# KiCad board reform2-motherboard.kicad_pcb (continued)
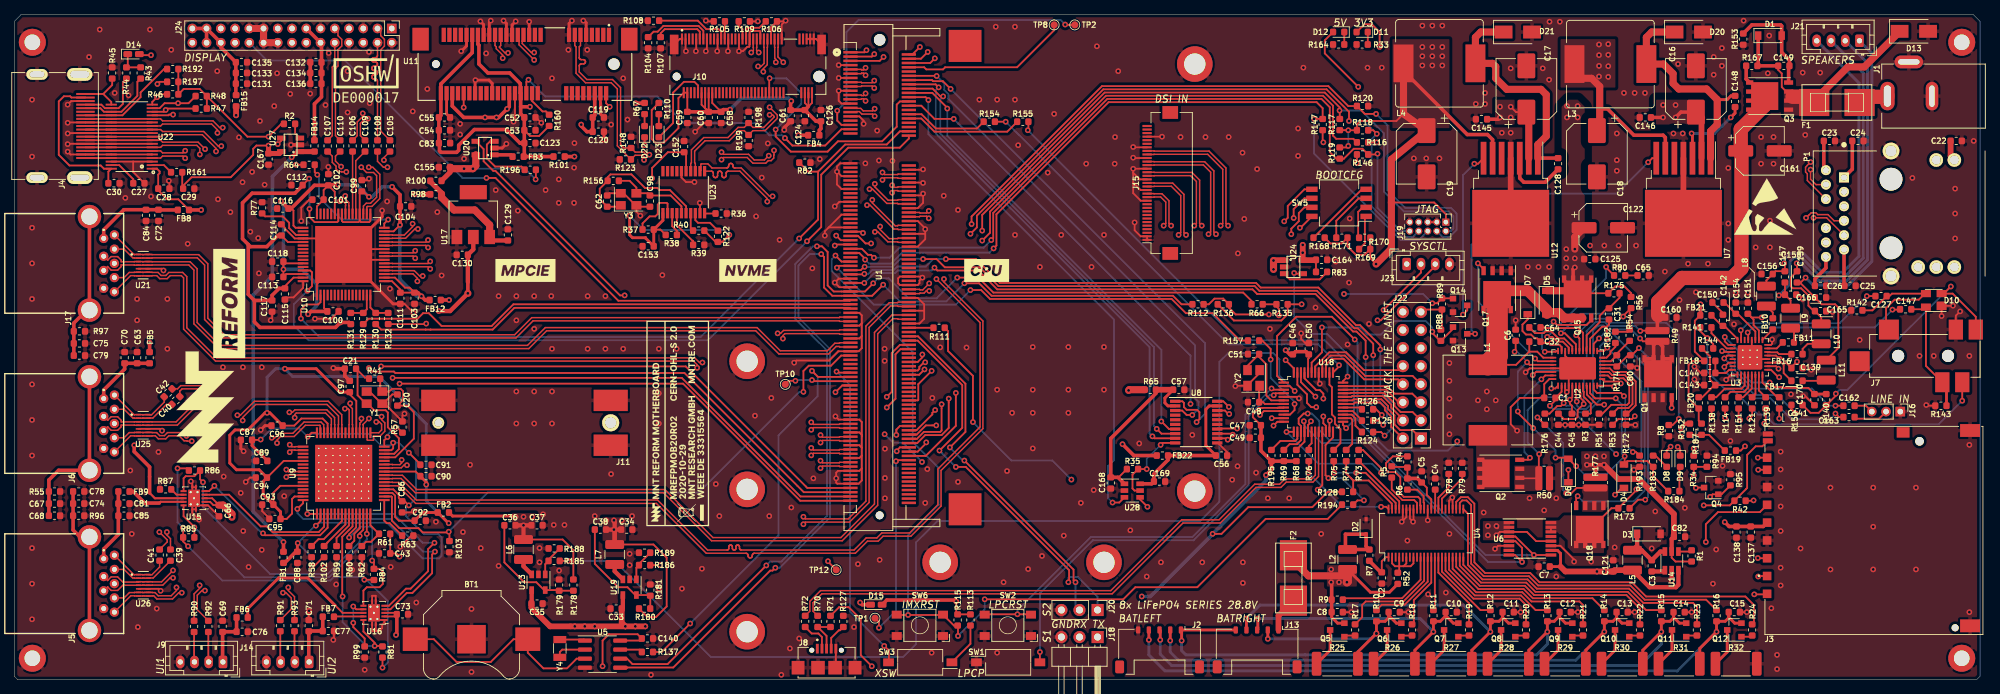
[diagram p0: board, top side]
## Routing (per net, layer and track width the routed paths; a pad name or vN(x,y) marks a point on that pad's centre or on a via; arc(x,y) is an arc through that point) (continued)
  Top w0.5: FB4.1 v1(110.1,76.5) ; D15.2 122.5,11.2 132.05,11.2 v1(132.25,11) ; v1(236.75,52.75) 236.75,51.24 FB21.1 ; FB22.1 157.2,31.5 v1(155.6,33.1) ; U12.6 207.56,75.88 206.84,76.6 204,76.6 195.05,85.55 L4.2
  Top w0.7: C155.1 61.19,71.3 R100.2 ; v1(35.7,75.05) C167.1 37.24,73.94 U27.5 37.45,74.15
  Top w0.8: C22.1 271.86,73.55 P1.14
  Top w1: U20.5 64.8,72.2 v1(64.4,71.8) v1(63.15,71.8) 61.39,71.8 C155.1 ; v1(191.2,58.4) 193.35,60.55 193.35,73.1 C19.1 195.05,79.5 L4.2
  Power.Cu w0.5: 113.8,91.9 114.7,91 114.7,81.1 v1(110.1,76.5) ; P1.16 269.85,55.75 263.3,49.2 249.8,49.2 246,53 237,53 v1(236.75,52.75)
  Power.Cu w1: v1(200.5,88.9) 202.7,91.1 242.9,91.1 256.3,77.7 268.8,77.7 272.39,74.11 P1.14 272.4,73.01 272.4,70.8 269.75,68.15 269.75,58.08 P1.16 ; 53.5,78.2 51.65,76.35 37.05,76.35 ; v1(35.7,75.05) v1(35.7,76.3) 35.75,76.35 37.05,76.35 ; 37.05,76.35 36.85,76.35 ; v1(64.4,71.8) v1(63.15,71.8) 61.6,71.8 ; v1(132.25,11) 133.5,11 v1(155.6,33.1) 175.25,52.75 v1(180.75,52.75) 183.85,55.85 185.35,55.85 187.2,57.7 190.5,57.7 191.25,58.45
  Power.Cu w1.5: 61.6,71.8 60.1,71.8 54.4,77.5 53.4,77.5
  Power.Cu w2: v1(200.5,88.9) v1(191.7,88.9) 176.7,88.9 169.9,82.1 153.3,82.1 145.6,89.8 131.9,89.8 129.8,91.9 112.4,91.9 110.7,90.2 58.1,90.2 53.2,85.3 53.2,78 53.4,77.8
  Bottom w0.25: v1(64.4,71.8) 71.7,71.8 v1(73.2,70.3) ; v1(187.3,77.2) v1(187.3,75)
  vias: v1(197.7,88.9) v1(197.7,87.6) v1(197.7,86.3) v1(199.1,88.9) v1(199.1,87.6) v1(199.1,86.3) v1(200.5,87.6) v1(200.5,86.3)
+5V: length 335.7
  Top w0.25: D12.2 184,89.84 184,88 v1(188.7,83.3) ; U1.5 121.5,86.95 v1(122.05,87.5) ; U1.6 128.6,86.65 v1(129.25,87.3) ; R83.2 C164.1 ; v1(128.25,88.2) 127.3,87.25 U1.4 ; v1(127.15,88.9) 126.1,87.85 U1.2 126.43,87.85 ; U1.3 120.4,87.55 v1(120.75,87.9) ; v1(119.65,88.45) 119.35,88.15 U1.1
  Top w0.5: U7.6 231.81,76.19 231.5,76.5 227.4,76.5 223.7,80.2 222.6,80.2
  Top w0.6: 72.59,10.7 72.65,10.76 U13.4 ; C33.1 85.45,10.16 U19.4
  Top w0.8: v1(180.9,61.1) v1(180.9,60) U24.5 182.71,58.95 C164.1 ; v1(85.8,7.5) v1(87.2,7.5) v1(88.6,7.5) ; v1(85.8,7.5) v1(81.5,7.5) v1(80.1,7.5) v1(78.7,7.5) 75.24,7.5 72.61,10.12 C35.1 ; v1(85.8,7.5) 85.29,8.01 C33.1
  Top w1: 219.05,84.5 221.45,84.5 222.6,83.35 222.6,77.55 C18.1
  Power.Cu w1: v1(129.25,87.3) 129.15,87.3 v1(128.25,88.2) 127.85,88.2 v1(127.15,88.9) 123.45,88.9 v1(122.05,87.5) 121.15,87.5 v1(120.75,87.9) 120.2,87.9 v1(119.65,88.45) ; v1(180.9,60) v1(180.9,61.1) 180.3,60.5 175.7,60.5 174.7,59.5 174.7,56.57 138.43,20.3 128.15,20.3 122.49,14.64 98.94,14.64 91.8,7.5 v1(88.6,7.5)
  Power.Cu w1.5: v1(180.9,61.1) 182.32,62.52 182.32,66.88 177,72.2 177,78.7
  Power.Cu w2: v1(222.5,87.75) 207.55,87.75 203.1,83.3 v1(188.7,83.3) 181.7,83.3 177.1,78.7 152.17,78.7 144.27,86.6 129.85,86.6 v1(128.25,88.2)
  vias: v1(222.5,89.25) v1(222.5,86.25) v1(222.5,84.75) v1(223.8,89.3) v1(223.8,87.8) v1(223.8,86.2) v1(223.8,84.7)
/Reform 2 Power/24V_IN: length 4
  Top w2: J1.1 262.9,81.9 259.09,81.9
/Reform 2 Power/30V_GATE: length 79.2
  Top w0.25: C17.1 210.85,79.75 v1(210.1,80.5) ; Q15.5 219.61,54.3 R175.1 224.76,55.25 226.07,55.25 227,54.33 R56.1 ; R1.2 233.24,16.61 232.7,17.15 U14.5
  Top w0.5: Q15.8 217.6,56.09 Q15.5 ; R177.1 v1(222,30.2) ; v1(222,30.2) v1(220.8,30.2) ; v1(222,30.2) v1(223.2,30.2) ; Q15.6 220.13,54.83 Q15.5 ; Q15.5 221.4,56.09 Q15.5 ; Q15.5 218.87,54.83 Q15.7 218.87,57.69 v1(219.1,57.93) ; v1(233.25,79) 234,79.75 C16.1 ; C145.2 208.35,78.75 v1(208.6,79) ; C146.2 v1(231.5,79)
  Top w0.6: U14.5 232.7,19.79 C82.2
  Top w0.8: 236.89,78.96 U7.2 ; C82.2 233.01,23.29 228.1,28.2 225.2,28.2 v1(223.2,30.2)
  Top w1: v1(219.1,60.5) 219.1,62.2 C122.1 ; 215.2,54.65 219.04,54.65 Q15.5 219.14,54.55 ; C17.1 212.64,79.41 U12.2 ; 236.89,78.96 C16.1 235.85,80 ; 211.85,80 212.1,79.75
  vias: v1(208.6,80.5) v1(210.1,79) v1(217.9,60.5) v1(217.9,59.2) v1(217.9,57.93) v1(218,80.6) v1(218,79) v1(219.1,59.2) v1(219.5,80.6) v1(219.5,79) v1(220.8,31.4) v1(222,31.4) v1(223.2,31.4) v1(231.5,80.75) v1(233.25,80.75)
GND: length 542.6
  Top w0.25: v1(251.15,39.85) 251.46,39.85 C170.2 ; v1(119.25,78.1) 119.25,78.55 118.65,79.15 U1.31 ; J10.51 106.25,91.66 R106.2 108.2,92.5 v1(108.3,92.6) 107.75,92.05 J10.57 107.75,90.65 ; Y1.4 51.78,38.79 53.08,40.09 C20.2 ; Y1.4 51.58,38.79 49.89,40.49 Y1.2 ; Y1.4 52,38.79 R57.2 54.5,37.1 v1(54.79,37.39) ; v1(113.8,62.4) 113.8,63 114.35,63.55 ; 114.35,63.55 U1.71 ; 114.35,63.55 116.15,65.35 U1.65 ; U4.37 196.45,22.25 v1(196.4,22.2) 195.95,22.65 U4.38 ; v1(180.68,48.67) 180.68,47.88 181.28,47.29 C50.2 ; v1(95.5,69.92) 94.31,69.92 93.68,70.56 U23.16 ; Y3.2 87.54,66.46 C98.2 ; Y3.2 87.35,65.75 v1(87.9,65.2) ; Y3.2 87.25,66.65 85.55,68.35 Y3.4 83.56,68.35 C62.2 ; U4.26 201.95,25.55 v1(201.9,25.6) 201.45,25.15 U4.27 ; 254.35,53.7 C166.2 ; C12.2 v1(219.52,9.5) ; U1.179 118.65,31.15 119,31.5 ; U1.110 127.75,51.85 ; 127.75,51.85 127.75,50.7 127.1,50.05 U1.116 ; 127.75,51.85 127.75,52.75 126.85,53.65 U1.104 ; C44.1 C45.1 R3.1 R51.1 ; C80.1 227.64,44.01 v1(227.85,43.8) ; C52.2 73.25,79 v1(74,78.25) ; Y2.2 174.85,43.1 173.15,41.4 Y2.4 171.5,41.3 v1(171.45,41.25) ; v1(96.25,67) 96.28,66.97 U23.9 ; 119,31.5 119,29.7 ; 119,31.5 119,32.6 ; v1(227.6,35.8) 227.59,35.81 R172.2 ; C14.2 v1(235.5,9.5) ; v1(24.8,27.87) 25,27.67 U15.11 U15.11 ; v1(20.75,35) 20.5,35.25 U25.10 U25.5 ; U26.5 U26.10 20.27,12.78 v1(20.55,12.5) ; v1(98.7,88.3) 98.75,88.35 J10.21 ; C95.2 35.81,22.69 34.81,23.69 C93.2 ; v1(157.1,73.35) 157.15,73.3 J15.24 ; U10.23 47,59 U10.65 ; v1(235.9,42.2) 236.7,41.4 C143.2 ; v1(157.3,64.25) 157.3,63.15 158.15,62.3 J15.2 J15.1 ; U10.26 47,60.5 U10.65 ; C165.2 255.2,51.8 v1(255.3,51.7) ; J10.45 104.75,91.05 104.65,91.15 103.36,91.15 103.25,91.04 J10.39 103.25,89.25 103.23,89.23 103.23,88.99 103.16,88.92 102.92,88.92 102.32,88.32 101.82,88.32 101.75,88.25 J10.33 ; J19.3 J19.5 ; U4.39 195.45,22.85 v1(194.8,22.2) 194.95,22.35 U4.40 ; U1.95 115.75,56.35 v1(115.2,55.8) 115.85,55.15 U1.99 ; 157.1,69.85 157.1,71.23 ; 157.1,69.85 158.15,68.8 J15.15 ; 157.1,69.85 157.1,68.36 158.16,67.3 J15.12 ; 157.1,71.23 158.03,70.3 J15.18 ; 157.1,71.23 v1(157.1,71.8) J15.21 ; U16.11 50.25,6.85 50.75,6.85 ; J10.9 95.75,88.35 v1(95.7,88.3) ; J15.27 157.15,74.8 v1(157.1,74.85) ; v1(272.2,52.55) 272.18,52.53 D10.1 v1(270.6,51.1) ; U2.3 217.75,40.65 v1(217.97,40.42) 218.25,40.7 U2.4 218.25,42.5 U2.39 ; 119,29.7 119,28 118.55,27.55 U1.191 115.55,27.55 115.4,27.7 v1(115.4,28.3) 115.4,29.1 115.65,29.35 U1.185 118.65,29.35 119,29.7 ; v1(115.3,37) 115.75,36.55 U1.161 118.65,36.55 119,36.2 119,34.2 ; v1(7.5,76.75) 7.55,76.8 J4.8 13.6,76.8 13.62,76.78 U22.28 U22.11 ; v1(180.38,39.53) 180.15,39.75 U18.5 ; U16.11 50.25,11.8 50.75,11.8 U16.11 ; 16.7,72.8 U22.3 ; 16.7,72.8 U22.36 ; 16.7,72.8 16.7,71.34 C27.1 ; C114.2 37.96,63.53 37.96,63.42 39.38,62 U10.52 44,62 U10.65 ; C8.2 v1(187.75,9.5) ; C86.2 55.91,23.51 v1(56.1,23.7) ; C28.1 21.79,70.01 v1(21.7,70.1) ; U22.8 U22.31 J4.5 7.55,75.3 v1(7.5,75.25) ; C15.2 v1(243.25,9.5) ; R109.2 104.2,92.5 104.3,92.6 ; 42.5,53.45 U10.1 42.5,55.6 46.25,59.35 U10.65 ; 119,50.1 119,51.2 118.65,51.55 U1.111 ; 119,50.1 118.65,49.75 U1.117 ; 119,50.1 119,48.3 ; R143.2 268.55,38.5 v1(268.45,38.6) ; 119,48.3 119,46.59 118.56,46.15 U1.129 115.71,46.15 114.41,44.85 109.8,44.85 v1(109.5,44.55) ; 119,48.3 118.65,47.95 U1.123 ; C13.2 v1(227.5,9.5) ; C102.2 v1(44.1,72.05) ; U6.11 217.07,18.83 219,16.9 v1(219,16.6) ; v1(115.51,71.39) 115.51,69.59 116.15,68.95 U1.53 ; v1(115.51,71.39) 115.51,72.11 115.95,72.55 U1.41 ; v1(115.51,71.39) 116.15,70.75 U1.47 ; v1(40.3,64.45) 40.3,66.33 41.42,67.45 C101.2 ; J10.3 94.25,88.35 v1(94.3,88.3) ; v1(115.2,66.5) 115.85,67.15 U1.59 ; U1.56 127.35,68.05 v1(127.6,68.3) 127.6,67 126.85,66.25 U1.62 ; v1(127.6,71.7) 127.55,71.65 U1.44 ; v1(7.5,80.8) 8,81.3 J4.17 ; C158.2 250.5,54.1 v1(251.1,53.5) ; C99.2 49.59,70.19 v1(49.8,70.4) ; R63.2 55.75,20.25 v1(54.2,18.7) ; 127.9,62.7 v1(127.9,63.3) 127.9,63.4 126.85,64.45 U1.68 ; 127.9,62.7 127.9,61.9 126.85,60.85 U1.80 ; 127.9,62.7 127.85,62.65 U1.74 ; 50.75,6.85 51.25,6.85 51.65,7.25 51.65,7.69 51.97,8.01 U16.1 51.3,8.4 50.5,9.2 U16.11 ; 50.75,6.85 U16.11 50.75,7.8 ; v1(42.22,50.72) 44.51,50.72 C100.2 ; v1(212.2,43.2) 212.75,43.75 U2.35 U2.39 ; v1(207.9,18.4) 208.33,18.83 U6.6 ; v1(227.4,29.5) 227.81,29.91 R193.1 ; U1.167 118.65,34.75 119,34.4 119,34.2 ; U1.173 118.65,32.95 119,32.6 ; U15.11 U15.11 25,23.45 v1(25.95,22.5) ; U1.7 v1(115.75,86.35) ; U22.5 U22.34 J4.2 7.9,73.8 v1(7.5,74.2) ; v1(273.2,51.75) 272.6,51.15 J7.4 ; J15.30 v1(161.15,76.3) ; v1(97.1,92.6) 97.2,92.5 R105.2 ; U11.26 70.3,78.6 v1(70.1,78.4) ; U3.20 243.95,45.05 U3.33 243.95,45.55 U3.28 ; v1(97.1,88.3) 97.25,88.45 J10.15 ; v1(32.5,27.8) 33.1,28.4 C94.2 ; J10.1 93.43,90.03 J10.S1 ; U2.39 217.75,45.5 U2.29 ; U3.9 241.06,42.86 v1(240.35,42.15) ; v1(100.2,88.3) 100.25,88.35 J10.27 ; U8.11 168.99,33.28 170.29,31.98 C56.2 ; v1(44.8,5.6) 44.89,5.69 C77.2 ; U1.25 116.15,80.95 115.75,81.35 v1(115.75,82.75) U1.19 ; C60.2 96.81,78.21 v1(95.6,77) ; v1(183.3,41.6) 183.15,41.75 U18.41 ; v1(246.8,47.8) 246.8,47.2 246.65,47.05 U3.24 ; v1(41.4,9.7) 41.35,9.65 C71.2 ; U1.50 127.55,69.85 v1(127.6,69.8) ; C142.2 239.9,51.51 C150.2 ; 119,32.6 119,34.2 ; J8.5 115.35,1.8 J8.6 ; J10.71 J10.73 J10.75 112.57,90.03 J10.S2 ; C11.2 v1(211.5,9.5) ; U1.13 v1(115.75,84.55) ; v1(20.95,57.5) 20.7,57.75 U21.10 U21.5 ; v1(56.05,51.55) 54.79,52.81 C111.2 ; C9.2 v1(195.75,9.5) ; U15.11 25.87,24.5 U15.1 27.21,24.5 C66.2 ; v1(235.9,44) 236.8,43.1 C144.1 ; 38,53.71 39.21,53.71 40.55,55.05 U10.64 ; v1(7.5,78.25) 7.55,78.3 J4.11 U22.25 U22.14 ; C117.2 36.2,50.7 v1(36,50.5) ; v1(47.45,15.45) 47,15.9 R60.2 ; U4.33 v1(198.45,22.4) ; R62.2 v1(48.8,15.9) ; 208.87,57.5 208.9,57.47 ; C6.1 v1(210.8,50.5) ; U1.94 124.35,56.65 124.1,56.4 124.1,55.7 124.35,55.45 U1.98 126.85,55.45 127.1,55.7 127.1,56.1 v1(127.5,56.5) 127.35,56.65 U1.94
  Top w0.4: v1(32.2,32.1) 31.81,32.49 C87.2 ; v1(70.4,92.5) 69.9,92 U11.27 ; C55.2 60.7,79.49 U11.50 ; U11.35 66.7,92.4 v1(66.9,92.6) ; C120.2 v1(82.79,75.89) ; C96.2 35.2,35.7 v1(34.6,35.1) ; v1(68.7,92.6) 69.1,92.2 U11.29 ; U11.34 67.1,83.8 66.65,84.25 v1(64.75,84.25) 64.7,84.2 U11.40 ; U11.21 v1(72.3,92.45) ; U11.4 82.3,81 82.3,79.49 C119.2 ; C111.2 53.19,52.81 U10.65 46.35,59.75 51.65,65.05 v1(51.65,65.93) ; U11.43 63.5,89.05 v1(62.75,88.3) ; U11.15 77.9,92.2 v1(78.3,92.6) ; U20.2 68.5,74.7 v1(69.1,75.3) ; v1(65.45,92.5) 65.9,92.05 U11.37 ; U11.9 80.3,92.3 80,92.6 v1(79.9,92.6)
  Top w0.5: 108.99,78.46 C61.2 108.12,77.58 v1(108.12,77.25) ; U27.2 v1(38.85,75.15) ; C97.2 46.41,42.67 C21.2 44.9,43.7 v1(44.8,43.8) ; C136.2 C134.2 C132.2
  Top w0.6: U14.2 v1(232.7,13.9)
  Top w0.8: U7.4 U7.8 ; U12.4 U12.8
  Top w1: J24.18 J24.20 J24.19 J24.21
  GND.Cu w0.25: 25.25,25.88 U15.11 25.25,25.12 ; 25.25,25.88 U15.11 ; 25.25,25.88 U15.11 ; 25.25,25.12 U15.11 ; 25.25,25.12 U15.11
  vias: v1(2.5,81.5) v1(2.5,73.5) v1(2.5,63.5) v1(2.5,58.5) v1(2.5,53.5) v1(2.5,41.5) v1(2.5,36.5) v1(2.5,31.5) v1(2.5,18.5) v1(2.5,13.5) v1(2.5,8.5) v1(10.5,87.5) v1(12,91.35) v1(14.1,82.45) v1(15.6,67.7) v1(16.05,82.1) v1(16.3,29.4) v1(16.5,20.5) v1(17.25,53.5) v1(17.25,50.5) v1(17.35,7.4) v1(19.05,91.35) v1(19.2,67.9) v1(20,10) v1(20.25,32) v1(21.5,53.5) v1(21.5,46.5) v1(22.05,88.5) v1(24.35,61.25) v1(28.5,85.5) v1(28.6,67.5) v1(29.3,43.9) v1(29.4,28.55) v1(30.35,65.7) v1(31.55,76.2) v1(31.6,50.1) v1(31.8,26.25) v1(32.05,69.9) v1(32.1,43.9) v1(32.15,20.9) v1(32.9,15.85) v1(33.15,62.95) v1(33.4,71.35) v1(34.25,62.05) v1(34.35,57.1) v1(34.5,78.5) v1(34.75,43.9) v1(34.75,18.25) v1(35.15,69.55) v1(36.5,80.6) v1(36.9,85.2) v1(37.9,25.8) v1(38.75,82.3) v1(41.55,82.35) v1(43.55,15.85) v1(43.7,80.75) v1(44.15,88.05) v1(45.2,13.4) v1(46.8,85.5) v1(46.8,79.7) v1(49.2,1.4) v1(49.8,88.2) v1(49.9,81) v1(52.35,67.2) v1(52.75,54.95) v1(52.85,15.85) v1(55.95,79.85) v1(56.45,10.85) v1(58,83) v1(59.2,22.2) v1(59.4,65.7) v1(60,56.8) v1(62.6,78.1) v1(62.6,76.6) v1(63,20.75) v1(63.15,73.2) v1(64,30.2) v1(64.2,9.95) v1(64.2,1.1) v1(65.5,18.5) v1(66.25,88) v1(67.6,68.8) v1(68,53.9) v1(68,16) v1(70.5,53.9) v1(70.5,50.5) v1(70.5,40.5) v1(70.5,36) v1(70.7,65.9) v1(73,53.9) v1(73,49.3) v1(73,40.5) v1(73,36) v1(73.75,18.5) v1(73.75,16.5) v1(74.25,23.25) v1(74.6,68.8) v1(75.4,53.9) v1(75.5,84.5) v1(75.5,46.5) v1(75.5,40.5) v1(75.5,36) v1(75.75,21.75) v1(76.45,70.3) v1(76.45,67) v1(76.5,15.35) v1(77.25,21.75) v1(77.8,88.5) v1(78.6,71.95) v1(78.6,67) v1(78.65,75.4) v1(80.45,88.5) v1(80.5,53.9) v1(80.5,46.5) v1(81.5,23) v1(83,53.9) v1(83,46.5) v1(83.8,78) v1(83.8,28.9) v1(85.5,84.5) v1(85.5,46.5) v1(86.1,78.7) v1(86.4,17.7) v1(86.4,16.1) v1(86.75,23) v1(89.4,0.7) v1(90.5,46.5) v1(90.5,40.25) v1(90.5,36) v1(90.5,12.8) v1(91,56.85) v1(93,46.5) v1(93.75,12.8) v1(96.55,15.6) v1(98.5,27.5) v1(99,23) v1(101.75,88.3) v1(104,37.1) v1(104.15,65.1) v1(104.4,92.5) v1(104.95,70.55) v1(105.8,75.35) v1(106,23) v1(106.3,39.6) v1(107.45,61.8) v1(107.7,0.7) v1(108.9,4.4) v1(109.1,24.2) v1(110.2,5.8) v1(112.05,57.8) v1(112.2,28.3) v1(113.1,73.15) v1(117.9,7.4) v1(118.45,16.25) v1(119.5,72.55) v1(121.15,77.15) v1(121.4,72.95) v1(121.5,16.85) v1(122.2,46.5) v1(122.2,44.8) v1(122.25,32.45) v1(122.25,28.35) v1(122.25,25.5) v1(123.3,72.9) v1(127.9,24.85) v1(128.2,29.6) v1(128.8,3.8) v1(128.9,39.6) v1(130,46.7) v1(130.5,68) v1(132.5,66) v1(132.5,27.8) v1(133.7,46.68) v1(135.5,81.5) v1(137.8,91.75) v1(138,81.5) v1(138,40.75) v1(138,3.8) v1(138.9,13.7) v1(139.39,29.33) v1(140.1,37.5) v1(140.5,91.75) v1(140.5,81.5) v1(140.5,62.5) v1(140.95,75.1) v1(142.35,15.55) v1(143,46.75) v1(143,40.75) v1(143,37.5) v1(143,32.5) v1(144,58) v1(144.3,17.4) v1(145.1,71.25) v1(146,79.5) v1(147,62.5) v1(147.35,20.25) v1(148,46.75) v1(148,40.75) v1(148,37.5) v1(149.75,24.85) v1(150.5,72.5) v1(151.25,58) v1(151.55,26.65) v1(152,89) v1(153,62.5) v1(153,46.75) v1(153,40.75) v1(154.5,72.5) v1(154.55,76.25) v1(155,85.5) v1(156.7,21) v1(157.95,33.2) v1(159,14.5) v1(161,16.5) v1(163.75,76.25) v1(165.4,34.4) v1(166.8,16.5) v1(167.25,76.25) v1(170.5,76.25) v1(171,28.1) v1(171.75,30) v1(171.8,59.9) v1(172.45,74.05) v1(172.5,16.5) v1(172.5,13.6) v1(172.7,64.75) v1(174.35,29.1) v1(174.5,71.75) v1(176,25.5) v1(176.3,49.3) v1(179,25.5) v1(180.25,77.45) v1(180.25,73.6) v1(181,86) v1(182.7,52.3) v1(183.5,20.5) v1(185.55,58.75) v1(187.2,47.1) v1(187.4,55.8) v1(187.5,64.8) v1(190,86) v1(190.2,50) v1(192,86) v1(195.6,19.55) v1(196.5,73.25) v1(197.7,91.9) v1(198.25,73.25) v1(198.5,12) v1(199.1,91.9) v1(200.1,73.25) v1(200.5,91.9) v1(201,12.25) v1(201.5,44.5) v1(201.5,42) v1(201.5,39.5) v1(201.5,37) v1(201.5,34.5) v1(201.5,20.5) v1(205.2,80.9) v1(205.5,39.25) v1(206.3,23.5) v1(206.5,82.45) v1(206.5,80.9) v1(206.75,40.5) v1(206.75,38) v1(208,39.25) v1(208.85,76.85) v1(210.1,85.9) v1(210.1,76.85) v1(212.5,58) v1(212.75,25.5) v1(214,58) v1(214.6,85.9) v1(214.8,23.8) v1(215.5,84.3) v1(215.5,58) v1(215.55,92.45) v1(216.5,25.5) v1(216.5,14.5) v1(217,92.45) v1(217.75,35.81) v1(219.65,35.81) v1(221.25,61) v1(221.4,16.6) v1(223.25,61) v1(224.7,18.6) v1(225,76.75) v1(225,73) v1(225,71.5) v1(225.25,61) v1(226,82.45) v1(227.5,82.45) v1(227.7,61) v1(228.95,82.45) v1(229.9,18.45) v1(230.4,23.65) v1(231.75,57.35) v1(232.95,76.75) v1(233.6,86.5) v1(233.8,53.35) v1(234,34.15) v1(234.25,76.75) v1(234.55,24.15) v1(235,58.45) v1(236.1,54.45) v1(237.8,58.45) v1(238.5,13.5) v1(238.6,87.5) v1(238.6,85) v1(238.95,18.3) v1(239.75,88.75) v1(239.75,86.25) v1(239.85,30.05) v1(240.65,71.9) v1(240.65,64.1) v1(240.65,61.8) v1(240.95,33.55) v1(241.45,49.95) v1(241.7,54.4) v1(242.8,92.6) v1(243.4,54.4) v1(244.5,60.75) v1(245.25,76.25) v1(245.25,72.5) v1(246.2,85.2) v1(246.4,90.5) v1(246.5,64.5) v1(246.5,60.75) v1(246.7,10.05) v1(247,76.25) v1(247,72.5) v1(247.5,3.5) v1(247.5,1.5) v1(248,32.05) v1(248,29.55) v1(248,27.05) v1(248,24.35) v1(248,20.9) v1(248,15.75) v1(248,13.25) v1(249.45,40.1) v1(250.8,18.45) v1(251.1,85.3) v1(251.45,76.55) v1(252.3,43.55) v1(253.55,85.3) v1(255,27) v1(255,15.5) v1(259.1,47.75) v1(261,27) v1(261,21.5) v1(261,15.5) v1(266.5,70.5) v1(267,27) v1(267,15.5) v1(267.5,45.5) v1(269.5,45.5) v1(272.5,69) v1(272.5,65.5) v1(272.5,62) v1(274.5,45.5) v1(274.5,33) v1(274.5,9.5) v1(275.1,75.7)
/Reform 2 Display/EDAUXN: length 16.3
  Top w0.2: C107.2 44.65,73.56 44.65,72.69 45.18,72.16 45.18,71.76 45.55,71.39 45.95,71.39 45.99,71.35 v1(46.63,71.35) ; U10.35 49.03,65.47 49.03,66.55 49.42,66.95 50.03,66.95 50.88,67.79 50.88,70.83 50.43,71.27 49.46,71.27 v1(48.72,72)
  Signal.Cu w0.2: v1(48.72,72) 46.85,72 46.63,71.78 46.63,71.73 46.63,71.73 v1(46.63,71.35)
/Reform 2 Display/EDAUXP: length 15.8
  Top w0.2: C110.2 45.1,73.56 45.1,72.88 v1(45.88,72.09) ; U10.34 49.5,66.4 49.6,66.5 50.22,66.5 51.33,67.61 51.33,71.02 50.34,72 v1(49.78,72)
  Signal.Cu w0.2: v1(49.78,72) 49.33,72.45 49.31,72.45 49.06,72.7 48.39,72.7 48.14,72.45 46.66,72.45 46.31,72.09 v1(45.88,72.09)
/Reform 2 Display/EDP_BL_VCC: length 15.1
  Top w0.5: J24.29 J24.27 ; J24.27 J24.28 ; J24.27 J24.26 29,88.86 C135.1 C133.1 C131.1 31.11,82.17 FB15.2
/Reform 2 Display/EDP_HPD: length 24.5
  Top w0.25: R64.1 v1(39.55,72.35)
  Signal.Cu w0.25: v1(39.55,72.35) 40,72.8 40,91.98 39.48,92.5 38,92.5 J24.17
/Reform 2 Display/EDP_LCD_VCC: length 17
  Top w0.5: FB14.2 42.15,80.9 43.14,81.89 C136.1 C134.1 C132.1 43.14,89.36 J24.12 J24.13
/Reform 2 Display/ML0N: length 8.8
  Top w0.2: U10.38 C106.2
/Reform 2 Display/ML0P: length 9.3
  Top w0.2: U10.37 47.95,65.5 47.95,72.91 C109.2
/Reform 2 Display/ML1N: length 14.5
  Top w0.2: v1(51.9,73) 51.9,73.36 C105.2 52.6,74.06 ; v1(45.73,67.23) 46.15,67.23 46.53,66.86 46.53,66.6 46.5,66.58 U10.40
  Signal.Cu w0.2: v1(45.73,67.23) 45.73,68.33 46.83,69.42 50.22,69.42 51.5,70.7 51.5,72.6 v1(51.9,73)
/Reform 2 Display/ML1P: length 14
  Top w0.2: U10.39 47,66.58 46.97,66.6 46.97,67.04 46.47,67.55 v1(46.47,67.97) ; v1(52.4,72) 51.83,72 51,72.83 C108.2
  Signal.Cu w0.2: v1(52.4,72) 51.9,71.5 51.9,70.54 50.34,68.97 47.47,68.97 v1(46.47,67.97)
/Reform 2 PCIe/PCICLKGEN_XI: length 11.7
  Top w0.25: U23.5 93.68,66.53 92.16,68.04 C98.1 88.94,68.35 Y3.3 87.35,69.15 86.4,70.1 R156.2
/Reform 2 PCIe/PCICLKGEN_XO: length 21
  Top w0.25: Y3.1 84.96,66.46 C62.1 82.2,67.51 82.2,68.99 R156.1 83.31,70.6 83.71,71 86.65,71 88.55,69.1 90.3,69.1 90.6,68.8 92.05,68.8 94.32,66.53 U23.6
/Reform 2 PCIe/RCLKC_N: length 30.2
  Top w0.2: v1(106.05,80.42) 107.14,79.34 107.14,78.87 105.42,77.15 103.71,77.15 R199.2 102.49,77.15 101.82,77.15 100.39,75.72 96.99,75.72 95.53,74.26 95.53,72.64 95.62,72.54 U23.13 ; J10.53 106.75,88.86 106.78,88.84 106.78,87.31 106.93,87.16 v1(106.93,86.75)
  Signal.Cu w0.2: v1(106.05,80.42) 106.35,80.12 107.11,80.12 107.22,80.24 107.22,86.45 v1(106.93,86.75)
/Reform 2 PCIe/RCLKC_P: length 30.2
  Top w0.2: v1(106.05,79.37) 106.46,79.37 106.69,79.15 106.69,79.05 105.23,77.6 103.71,77.6 R198.2 102.49,77.6 101.63,77.6 100.21,76.17 96.81,76.17 95.07,74.44 95.07,72.64 94.97,72.54 U23.14 ; J10.55 107.25,88.86 107.22,88.84 107.22,87.5 v1(107.97,86.75)
  Signal.Cu w0.2: v1(106.05,79.37) 106.35,79.67 107.29,79.67 107.68,80.06 107.68,86.45 v1(107.97,86.75)
/Reform 2 Power/BAT1FUSED: length 60.7
  Top w0.25: U6.12 213.68,19.47 212.38,20.78 208.57,20.78 v1(208.1,20.3)
  Top w0.4: C8.1 184.96,8.79 185.8,7.95 Q5.2 ; L2.1 190.4,12.3 193.09,12.3 R52.2
  Top w0.5: C8.1 R9.1 184.96,13.64 v1(184.9,13.7) ; 208.22,21.42 208.2,21.4
  Top w1: 187.2,14.5 187.1,14.6 181.7,14.6 179.6,16.7 F2.1
  Top w1.2: v1(187.1,13.7) 187.2,13.8 L2.1
  Power.Cu w1.2: 208.2,21.4 207.9,21.4 206.3,19.8 206.3,18.3 201.7,13.7 v1(187.1,13.7)
  vias: v1(184.9,15.5) v1(186,13.7) v1(206.9,21.6) v1(206.9,20.3) v1(208.1,21.6)
/Reform 2 Power/CHG_INTVCC: length 59.9
  Top w0.25: D4.2 226.47,30.72 229.29,30.72 R183.1 230.1,28.6 232.2,26.5 R184.1 ; D4.2 226.34,29.91 ; D4.2 226.1,30.35 v1(226.1,31.4) ; v1(212.4,44.6) 212.75,44.25 U2.34 ; v1(211.1,37.7) 211.1,37.51 v1(213.27,35.34) ; v1(219.3,30) 219.25,30 D6.2 218.05,31.2 v1(216.4,31.2) ; v1(224.85,39.53) 221.97,39.53 221.25,40.25 U2.10 ; v1(210.65,46.08) 210.8,46.23 C6.2
  Bottom w0.25: v1(211.1,37.7) 211.1,43.3 v1(212.4,44.6) 212.4,44.7 211.02,46.08 v1(210.65,46.08) ; v1(219.3,30) 220.4,28.9 223.6,28.9 v1(226.1,31.4) 225.7,31.8 225.7,38.68 v1(224.85,39.53) ; v1(213.27,35.34) 216.4,32.21 v1(216.4,31.2)
/Reform 2 Power/LPC_AD5: length 17.2
  Top w0.25: U18.40 183.65,44.39 184.81,45.55 186.81,45.55 189.67,42.7 196.32,42.7 J22.7
/Reform 2 Power/LPC_AD7: length 15.3
  Top w0.25: U18.42 182.65,44.02 184.63,46 187,46 189.5,43.5 194.4,43.5 J22.10
/Reform 2 Power/LPC_MISO0: length 4.3
  Top w0.25: U18.27 187.79,37.25 188.3,36.74 188.3,35.71 R124.1
/Reform 2 Power/LPC_MISO1a: length 11.6
  Top w0.25: U18.30 188.02,38.75 188.22,38.95 191.75,38.95 192.43,38.27 192.43,37.86 193.33,36.96 193.33,35.53 J22.2
/Reform 2 Power/LPC_MISO1b: length 6
  Top w0.25: R74.2 187.85,33.14 187.85,36.55 187.65,36.75 U18.26
/Reform 2 Power/LPC_MOSI0: length 3.2
  Top w0.25: U18.28 187.92,37.75 189.21,36.46 R125.1
/Reform 2 Power/LPC_MOSI1a: length 33.3
  Top w0.25: v1(182.05,36.32) 182.05,36.19 181.65,35.79 U18.17
  Signal.Cu w0.25: J22.14 196.14,47.96 197.87,47.96 199.13,46.71 199.13,38.87 198.06,37.8 194.21,37.8 193.61,38.4 184.61,38.4 184.33,38.12 183.86,38.12 v1(182.05,36.32)
/Reform 2 Power/LPC_MOSI1b: length 11.9
  Top w0.25: R75.2 186.2,33.24 186.2,35.2 185.43,35.97 185.43,36.85 185,37.27 185,41.1 184.65,41.45 U18.38
/Reform 2 Power/LPC_PIO1_16: length 40.3
  Top w0.25: v1(178.5,44.9) 179.65,43.75 U18.48 ; v1(199.1,52.9) 199.76,52.9 R89.1 201.96,53.59 Q14.1
  Signal.Cu w0.25: v1(178.5,44.9) 174.3,49.1 174.3,51.7 176.8,54.2 v1(186.7,54.2)
  Bottom w0.25: v1(199.1,52.9) 197.8,54.2 v1(186.7,54.2)
/Reform 2 Power/LPC_RXDa: length 19.3
  Top w0.25: U18.46 180.65,41.82 v1(182.69,39.79)
  Signal.Cu w0.25: v1(182.69,39.79) 183.25,40.35 188.71,40.35 J22.12
/Reform 2 Power/LPC_RXDc: length 35.6
  Top w0.25: U18.11 v1(176.55,36.75) ; v1(191.4,50.5) 191.88,50.5 199.5,58.12 J23.3
  Signal.Cu w0.25: v1(176.55,36.75) 179.02,36.75 181.24,38.96 181.24,40.98 185.35,45.1 187.1,45.1 191.4,49.4 v1(191.4,50.5)
/Reform 2 Power/LPC_SCK0a: length 2.8
  Top w0.25: U18.29 188.96,38.25 R126.1
/Reform 2 Power/LPC_SCK0b: length 14.3
  Top w0.25: J22.1 196.32,35.08 194.59,35.08 193.78,35.88 193.78,37.14 192.88,38.04 192.88,38.45 191.94,39.4 188.03,39.4 187.88,39.25 U18.31
/Reform 2 Power/LPC_SCK1a: length 29.1
  Top w0.25: v1(183.6,49.5) 183.6,46 182.15,44.55 U18.43 ; v1(199.1,48.9) 199.1,48.71 200.3,47.51 ; Q13.1 202,49.3 200.31,47.61 R88.1
  Bottom w0.25: v1(183.6,49.5) 189,49.5 190,48.5 191.9,48.5 193.8,50.4 198.17,50.4 199.1,49.47 v1(199.1,48.9)
/Reform 2 Power/LPC_SCK1b: length 21.6
  Top w0.25: U18.13 178.64,34.84 v1(178.63,34.82) ; v1(191.9,29.07) 191.9,29.74 189.35,32.29 R73.2
  Bottom w0.25: v1(178.63,34.82) 183.1,30.35 190.62,30.35 v1(191.9,29.07)
/Reform 2 Power/LPC_SCLKa: length 20.6
  Top w0.25: U18.45 181.15,42.35 182.8,40.7 183.3,40.7 183.8,40.2 v1(183.8,39.5)
  Signal.Cu w0.25: v1(183.8,39.5) 191.1,39.5 194.48,42.88 196.32,42.88 J22.9
/Reform 2 Power/LPC_SCLKc: length 15.2
  Top w0.25: v1(189.5,25.2) 188.59,25.2 R194.2 ; U18.24 185.15,34.03 184.1,32.98 184.1,28.73 v1(184.5,28.33)
  Bottom w0.25: v1(189.5,25.2) 186.37,28.33 v1(184.5,28.33)
/Reform 2 Power/LPC_SSEL0: length 13.9
  Top w0.25: v1(176.4,45) 176.4,46.47 175.22,47.65 R157.1 ; U18.10 179.12,37.25 179.75,37.89 v1(179.75,38.74)
  Bottom w0.25: v1(176.4,45) 176.4,42.4 179.75,39.04 v1(179.75,38.74)
/Reform 2 Power/LPC_SSEL1: length 2.7
  Top w0.25: U18.18 182.15,33.22 181.75,32.83 R76.2
/Reform 2 Power/LPC_SWDIO: length 13.7
  Top w0.25: U18.39 184.15,44.25 185,45.1 186.63,45.1 189.53,42.2 194.28,42.2 J22.8
/Reform 2 Power/LPC_TDI: length 10.2
  Top w0.25: U18.32 187.75,39.75 187.85,39.85 192.12,39.85 193.33,38.64 193.33,38.23 194.96,36.6 J22.4
/Reform 2 Power/LPC_TDO: length 9.1
  Top w0.25: U18.34 192.61,40.75 194.38,38.98 J22.6
/Reform 2 Power/LPC_TMS: length 12.8
  Top w0.25: U18.33 187.61,40.25 187.66,40.3 192.31,40.3 193.78,38.82 193.78,38.48 194.65,37.62 196.32,37.62 J22.3
/Reform 2 Power/LPC_TXDa: length 28.6
  Top w0.25: U18.47 180.15,41.45 181.5,40.1 181.5,38.9 182.1,38.3 v1(182.8,38.3)
  Signal.Cu w0.25: J22.11 198.68,45.42 198.68,43.5 198.06,42.88 196.96,42.88 196.2,42.12 196.2,41.02 195.52,40.34 192.58,40.34 191.14,38.9 184.47,38.9 184.15,38.57 183.07,38.57 v1(182.8,38.3)
/Reform 2 Power/LPC_TXDc: length 35.8
  Top w0.25: J23.2 197.5,57.2 v1(192.25,51.95) ; U18.12 177.35,36.25 v1(176.8,35.7)
  Signal.Cu w0.25: v1(176.8,35.7) 178.87,35.7 181.84,38.66 181.84,40.44 182.2,40.8 185,40.8 185.58,41.38 185.58,42.52 192.25,49.2 v1(192.25,51.95)
